# Altium PCB Stabiliser.PCBDOC (part 6 of 8)
Units mm, origin at the board's own origin, x right, y up, seen from the top; angles counter-clockwise.
Board outline 162.48 x 100 mm, 4 copper layers (Top, GP1(GND), L3, Bot), stack 1.648 mm thick; 687 components, 419 nets, 2139 pads, 1048 vias.
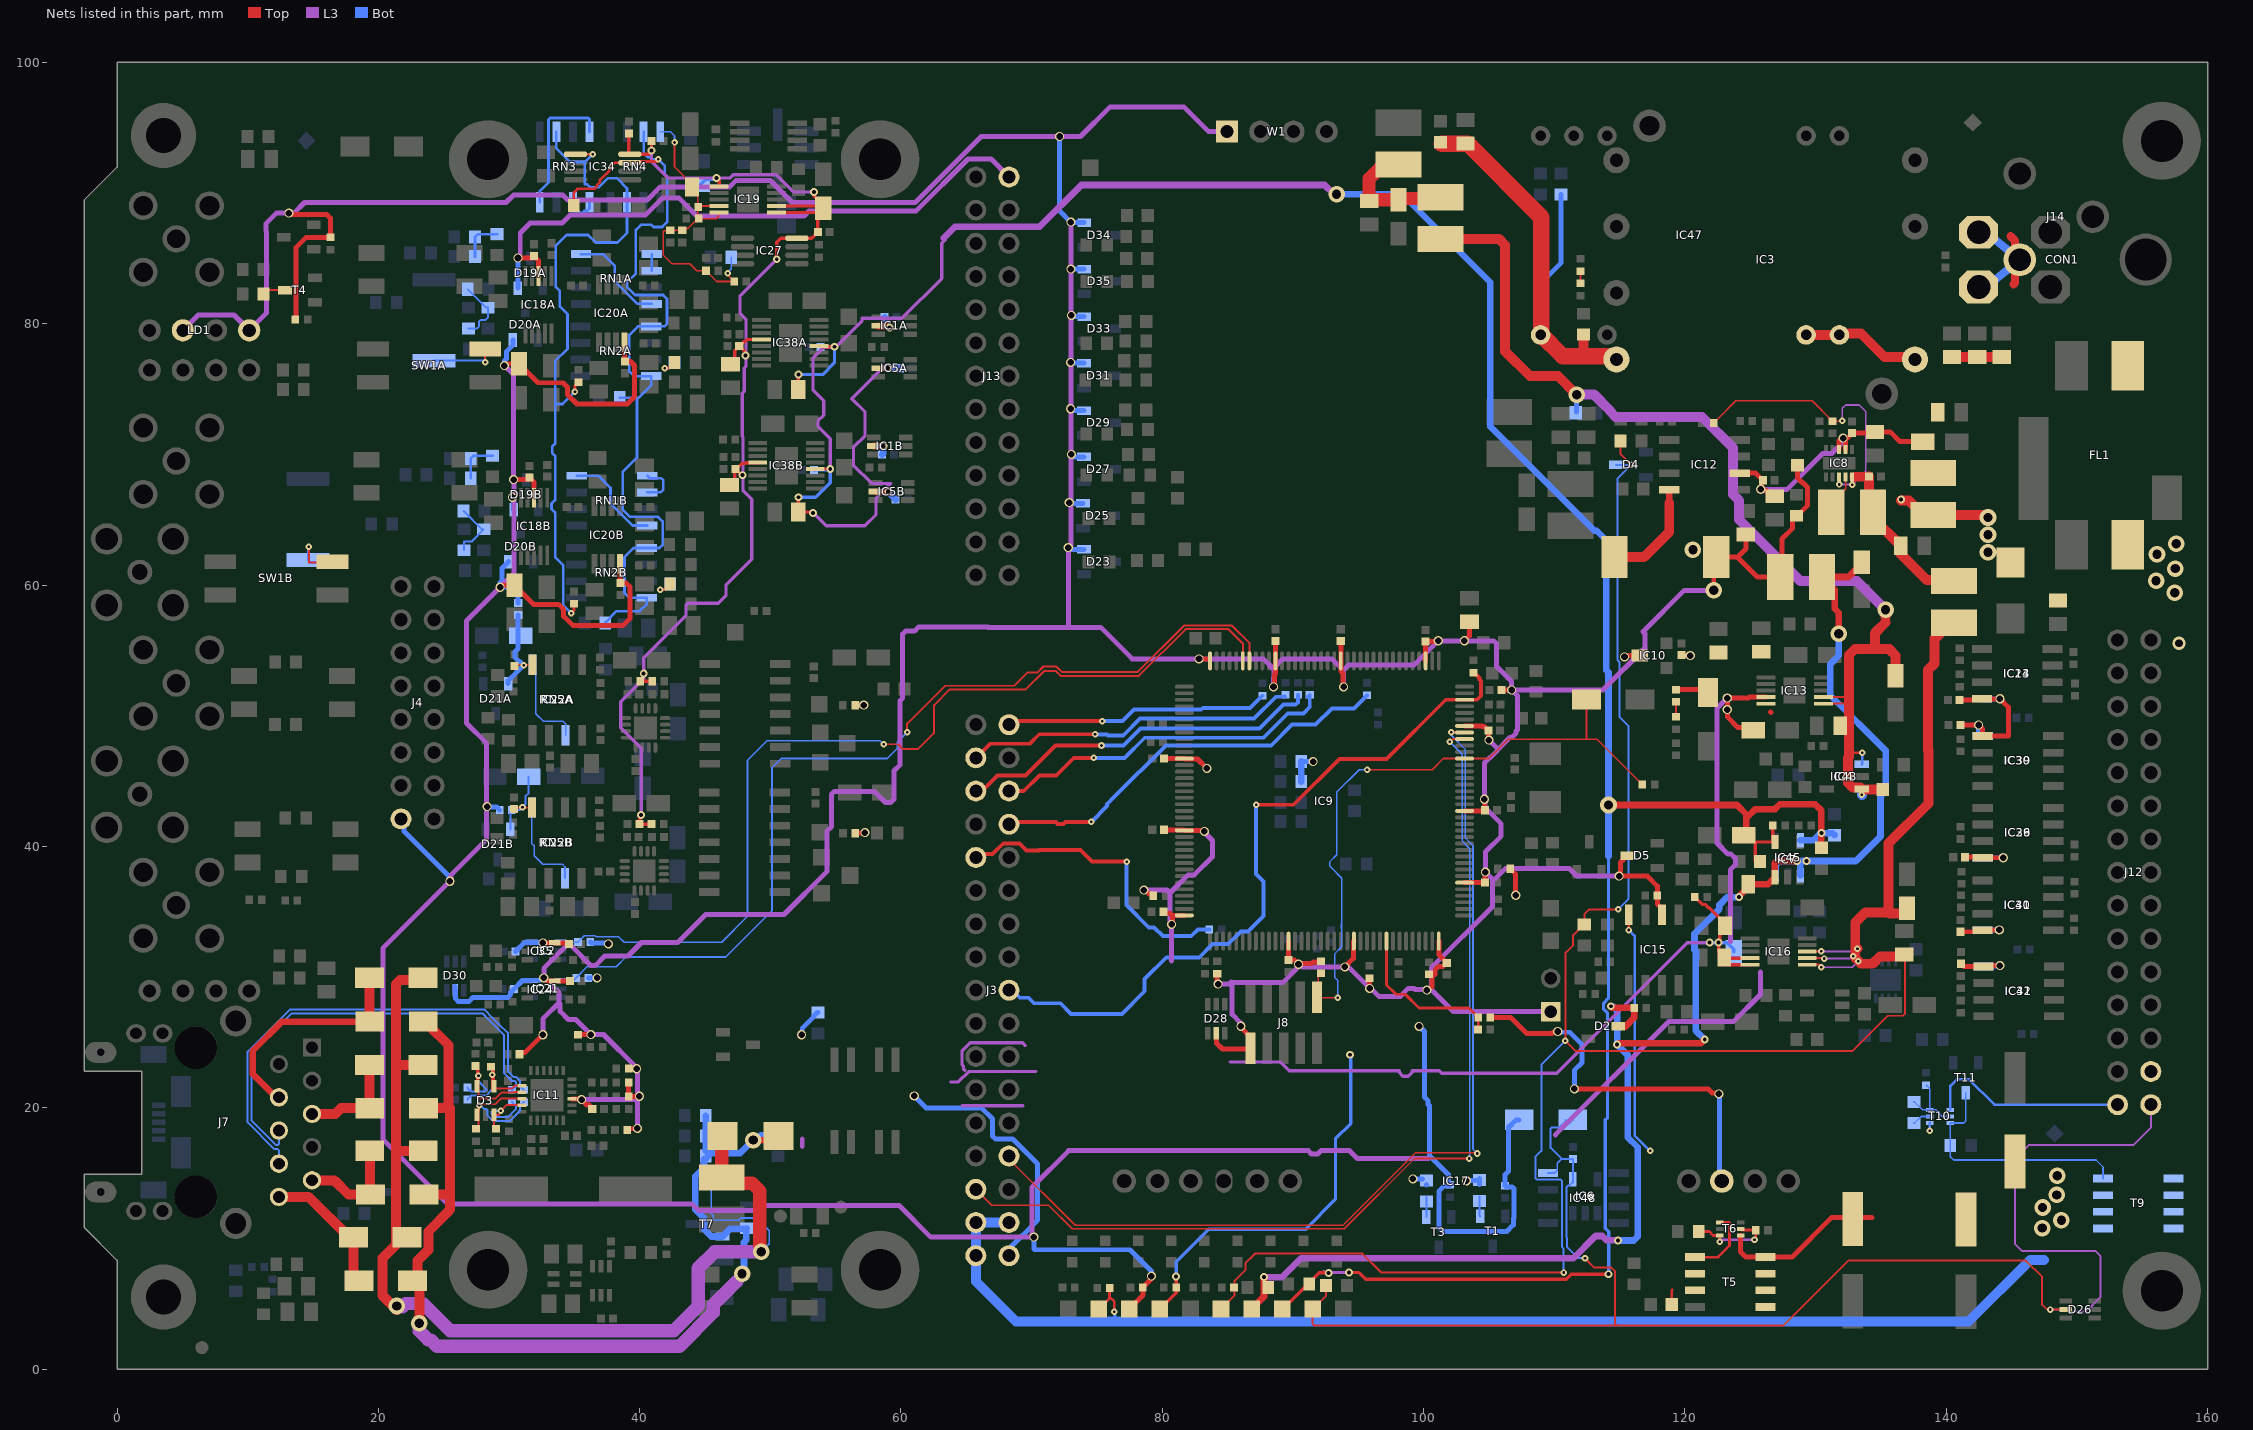
[diagram p8: the nets of this part, all layers, seen from the top]

## Via types
v1: diameter 0.5, hole 0.2, Top to Bot, tented both sides, 829 vias
v2: diameter 0.7, hole 0.5, Top to Bot, tented both sides, 83 vias
v3: diameter 0.5, hole 0.2, Top to Bot, 52 vias
v4: diameter 0.6, hole 0.3, Top to Bot, tented both sides, 41 vias
v5: diameter 1.27, hole 0.711, Top to Bot, tented both sides, 37 vias
v6: diameter 0.66, hole 0.33, Top to Bot, tented both sides, 5 vias
v7: diameter 1, hole 0.6, Top to Bot, tented both sides, 1 vias

## Nets (pads, with @x,y where several pads share a name; then routed paths per layer and width w, separated by ;. In a path a pad name is that pad's centre, name@x,y a point inside that pad or via, vN(x,y) a via of type N, cw(c..) or ccw(c..) an arc to the next point about the centre after c; other vN are vias at no path point) (continued)
NetR62_2: R62.2 R102.2 T6.3 T6.5 | length 6.9
  Top w0.203: R62.2@121.052,10.526 121.865,10.526 122.165,10.226 T6.3@122.678,10.226 122.657,10.204 v1(122.657,9.754) ; T6.5@124.258,10.726 124.339,10.645 125.396,10.645 R102.2@125.415,10.626 125.415,9.997 v1(125.324,9.906)
  L3 w0.203: v1(122.657,9.754) 122.809,9.906 v1(125.324,9.906)
NetR70_1: R70.1 T1.1 | length 1.5
  Bot w0.152: R70.1@104.281,13.198 104.281,11.739 T1.1@104.329,11.691
NetR71_1: R71.1 T3.1 | length 1.5
  Bot w0.152: T3.1@100.205,11.633 R71.1@100.205,13.154
NetR80A_2: R80A.2 R81A.1 R82A.2 | length 3.3
  Bot w0.203: R82A.2@27.401,85.144 R80A.2@27.401,86.644 27.621,86.864 R81A.1@29.081,86.864
NetR80B_2: R80B.2 R81B.1 R82B.2 | length 3.3
  Bot w0.203: R82B.2@27.067,68.179 R80B.2@27.067,69.679 27.287,69.899 R81B.1@28.747,69.899
NetR83A_1: R83A.1 SW1A.4 | length 5
  Top w0.152: v1(28.181,77.043) SW1A.4@28.181,78.074
  Bot w0.152: R83A.1@24.247,77.174 28.05,77.174 v1(28.181,77.043)
NetR83B_1: R83B.1 SW1B.4 | length 4.1
  Top w0.152: v1(14.681,62.937) 14.681,61.747 16.458,61.747 SW1B.4@16.5,61.789
  Bot w0.152: R83B.1@14.62,61.929 14.62,62.876 v1(14.681,62.937)
NetR87A_2: R87A.2 R88A.1 R89A.2 | length 5
  Bot w0.152: R88A.1@26.851,82.644 28.261,81.234 R89A.2@28.401,81.234 28.401,80.493 28.196,80.287 27.817,80.287 27.698,80.168 27.698,79.789 27.543,79.634 R87A.2@26.901,79.634
NetR87B_2: R87B.2 R88B.1 R89B.2 | length 4.7
  Bot w0.152: R88B.1@26.517,65.679 27.927,64.27 R89B.2@28.067,64.27 27.129,63.332 26.567,63.332 R87B.2@26.567,62.67
NetR92_2: R92.2 T4.3 | length 1.8
  Top w0.127: R92.2@11.22,82.294 11.51,82.584 T4.3@12.85,82.584
NetR103_1: R103.1 R204.1 | length 1.1
  Top w0.152: R204.1@119.329,49.923 R103.1@119.329,51.063
NetR142_2: R142.2 R143.2 | length 0.9
  Top w0.152: R142.2@112.014,83.096 R143.2@112.014,84.03
NetR162A_2: R162A.2 R170A.2 | length 2.2
  Top w0.203: v1(41.911,76.6) 42.226,76.6 R162A.2@42.668,77.043
  Bot w0.203: v1(41.911,76.6) 42.268,76.6 42.668,77.001 R170A.2@42.668,77.043 R170A.2@42.431,76.806
NetR162B_2: R162B.2 R170B.2 | length 2.2
  Top w0.203: v1(41.576,59.636) 41.891,59.636 R162B.2@42.334,60.078
  Bot w0.203: v1(41.576,59.636) 41.934,59.636 42.334,60.036 R170B.2@42.334,60.078 R170B.2@42.097,59.841
NetR194_1: R194.1 T10.2 | length 1.4
  Bot w0.127: R194.1@137.524,18.837 137.574,18.837 138.074,19.337 T10.2@138.73,19.337
NetR194_2: R194.2 R196.2 T10.3 T10.5 | length 5.3
  Bot w0.127: R194.2@137.524,20.437 137.574,20.437 138.174,19.837 T10.3@138.73,19.837 ; R196.2@138.46,21.725 138.48,21.725 138.73,21.476 T10.3@138.73,19.837 ; T10.5@140.31,19.337 139.697,19.337 139.197,19.837 T10.3@138.73,19.837
NetR195_2: R195.2 T9.4 T10.6 T11.3 | length 18.9
  Bot w0.127: T11.3@141.494,21.144 141.494,18.99 141.342,18.837 T10.6@140.31,18.837 R195.2@140.31,17.098 140.31,16.256 140.564,16.002 151.46,16.002 151.994,15.469 T9.4@151.994,14.58
NetRN1A_4: RN1A.4 RN1A.8 | length 7.7
  Bot w0.203: RN1A.4@35.517,85.335 37.177,85.335 38.101,84.412 38.101,83.243 39.818,81.525 RN1A.8@40.917,81.525
NetRN1A_5: RN1A.5 RN1A.6 | length 1.3
  Bot w0.203: RN1A.6@40.917,84.065 RN1A.5@40.917,85.335
NetRN1B_4: RN1B.4 RN1B.8 | length 7.7
  Bot w0.203: RN1B.4@35.183,68.37 36.843,68.37 37.766,67.447 37.766,66.246 39.452,64.56 RN1B.8@40.583,64.56
NetRN1B_5: RN1B.5 RN1B.6 | length 3.4
  Bot w0.203: RN1B.6@40.583,67.1 41.582,67.1 41.809,67.328 41.809,68.027 41.662,68.174 40.779,68.174 RN1B.5@40.583,68.37
NetRN3_1: RN3.1 RN3.2 | length 2.5
  Bot w0.203: RN3.2@34.897,89.301 34.897,88.826 35.095,88.628 35.293,88.628 35.444,88.476 35.613,88.476 35.764,88.628 35.968,88.628 36.167,88.826 RN3.1@36.167,89.301
NetRN3_4: RN3.4 RN3.8 | length 10.8
  Bot w0.203: RN3.4@32.357,89.301 32.357,90.158 33.022,90.824 33.022,95.632 33.141,95.751 36.068,95.751 36.167,95.652 RN3.8@36.167,94.701
NetRN5A_1: RN5A.1 RN5A.6 | length 7.3
  Bot w0.127: RN5A.1@31.797,53.91 32.037,53.67 32.037,50.168 32.635,49.57 34.135,49.57 34.337,49.368 RN5A.6@34.337,48.51
NetRN5B_1: RN5B.1 RN5B.6 | length 7.3
  Bot w0.127: RN5B.1@31.752,42.972 31.752,40.225 31.935,40.042 31.935,39.287 32.59,38.632 34.09,38.632 34.292,38.43 RN5B.6@34.292,37.572
NRST: D1.2 IC9.25 J8.10 R13.2 R14.1 | length 50.1
  Top w0.127: v1(93.439,28.423) 91.877,28.423 J8.10@91.836,28.464 91.924,28.553 R13.2@91.924,30.058 ; v1(95.669,45.874) 100.659,45.874 101.512,46.727 IC9.25@103.134,46.727 104.99,46.727 106.463,48.2 112.454,48.2 ; D1.2@112.46,51.238 112.46,48.206 112.454,48.2 ; R14.1@116.739,44.727 116.739,44.747 116.513,44.973 116.493,44.973 113.266,48.2 112.454,48.2 ; R13.2@91.924,30.058 R13.2@92.151,30.284 ; R13.2@91.924,30.058 R13.2@92.151,30.284 ; R13.2@92.151,30.284 R13.2@92.159,30.284 R13.2@92.151,30.284
  Bot w0.127: v1(93.439,28.423) 93.439,29.747 93.185,30.001 93.185,31.775 93.734,32.324 93.734,33.679 93.719,33.695 93.719,34.059 93.734,34.075 93.734,37.57 92.828,38.476 92.828,38.841 93.35,39.363 93.35,44.163 95.061,45.874 v1(95.669,45.874)
OEn_DO0: IC2.1 IC9.67 R214.1 | length 73.4
  Top w0.127: v1(58.667,47.821) 59.776,47.821 59.849,47.748
  Top w0.152: 59.849,47.748 60.152,47.444 61.288,47.444 62.539,48.696 62.539,50.81 63.743,52.014 69.545,52.014 70.96,53.429 71.841,53.429 72.216,53.054 78.207,53.054 81.779,56.625 85.068,56.625 86.159,55.534 IC9.67@86.159,54.202
  Bot w0.127: IC2.1@33.942,32.673 R214.1@35.28,32.673 35.28,32.693 35.76,33.174 36.589,33.174 36.686,33.076 38.406,33.076 38.809,32.673 46.271,32.673 48.25,34.652 48.25,46.603 49.745,48.098 58.39,48.098 v1(58.667,47.821)
OEn_DO1: IC9.66 IC21.1 R203.1 | length 73.3
  Top w0.152: v1(60.477,48.749) 60.477,49.394 63.382,52.299 68.667,52.299 69.676,53.308 70.443,53.308 70.909,53.774 71.891,53.774 72.332,53.333 78.092,53.333 81.67,56.912 85.324,56.912 86.659,55.577 IC9.66@86.659,54.202
  Bot w0.127: IC21.1@33.942,29.75 34.947,29.75 R203.1@35.137,29.94 35.137,29.96 35.968,30.791 38.209,30.791 38.957,31.54 46.59,31.54 50.13,35.08 50.13,46.022 50.842,46.734 58.944,46.734 59.738,47.527 59.738,48.01 v1(60.477,48.749)
P2V5A: C7A.2 C7B.2 C9A.2 C9B.2 C47.2 C55.2 C56.1 C137A.2 C137B.2 C159A.2 C159B.2 C171.2 IC1A.5 IC1B.5 IC5A.5 IC5B.5 IC7.5 IC38A.12 IC38B.12 IC45.5 R53.2 R152.2 TP10.1 | length 252.1
  Top w0.254: C9A.2@52.146,74.986 v4(52.146,76.118) ; v4(52.15,66.724) C9B.2@52.15,65.593 53.215,65.593 v4(53.275,65.533) ; IC38B.12@53.325,68.872 53.379,68.818 53.447,68.885 v4(54.585,68.885) ; IC38A.12@53.956,78.236 54.127,78.236 54.132,78.241 v4(54.906,78.241) ; TP10.1@89.169,4.597 89.23,4.597 91.999,7.366 v4(92.735,7.366) ; v4(94.285,7.391) 95.055,7.391 95.56,6.887 110.927,6.887 111.305,7.264 v4(114.16,7.264) ; C55.2@125.392,38.846 125.392,40.295 125.442,40.345 IC7.5@126.892,40.345 ; R53.2@126.722,41.596 126.722,40.515 IC7.5@126.892,40.345 ; IC7.5@126.892,39.98 IC7.5@126.892,40.345
  Top w0.508: IC1B.5@57.906,70.647 v4(58.667,70.647) ; IC5B.5@58.059,67.158 v4(59.022,67.158) ; IC1A.5@58.251,79.854 58.28,79.825 58.919,79.825 59.022,79.723 59.114,79.723 v4(59.131,79.705) ; v5(114.148,43.175) 123.985,43.175 124.692,42.468 124.692,42.16 ; C56.1@124.692,40.919 124.692,42.16 ; C47.2@130.442,39.896 v4(130.442,41.032) 130.442,42.744 129.959,43.227 127.26,43.227 126.892,42.859 125.391,42.859 124.846,42.314 124.692,42.16
  L3 w0.254: v4(53.275,65.533) 54.266,64.541 57.226,64.541 58.09,65.405 58.09,66.65 59.225,67.784 57.748,67.784 56.363,69.169 56.363,70.536 57.252,71.425 57.252,73.25 56.226,74.276 58.784,76.834 ; v4(54.585,68.885) 54.585,71.213 53.649,72.149 53.649,72.566 54.1,73.017 54.1,74.097 53.271,74.926 53.271,77.386 54.096,78.211 55.008,78.211 57.023,80.226 57.023,80.416 60.073,80.416 63.119,83.463 63.119,86.157 63.398,86.436 ; 92.334,7.473 92.416,7.391 ; v4(92.735,7.366) 92.441,7.366 92.416,7.391 ; v4(94.285,7.391) 92.416,7.391
  L3 w0.508: 63.271,86.563 64.135,87.427 70.612,87.427 73.812,90.627 92.423,90.627 93.134,89.916 v5(93.34,89.916)
  Bot w0.254: v4(52.146,76.118) 54.013,76.118 54.906,77.01 v4(54.906,78.241) C137A.2@53.901,78.241 ; v4(52.15,66.724) 53.462,66.724 54.585,67.847 v4(54.585,68.885) 54.522,68.822 C137B.2@53.325,68.822 ; 114.148,39.268 114.148,28.377 113.771,28 113.771,27.542 114.074,27.239 114.074,19.247 113.9,19.073 113.9,10.781 114.16,10.521 v4(114.16,7.264)
  Bot w0.508: C7B.2@58.561,69.988 58.65,70.077 58.65,70.629 v4(58.667,70.647) ; C7A.2@58.747,80.5 58.956,80.291 58.956,79.906 59.131,79.73 v4(59.131,79.705) ; v4@59.008,76.618 v4(59.004,76.614) 59.018,76.6 C159A.2@59.977,76.6 C159A.2@59.973,76.597 ; v4(59.022,67.158) 59.022,67.133 59.521,66.633 59.521,66.604 C159B.2@59.577,66.548 ; v5(93.34,89.916) 98.371,89.916 105.105,83.181 105.105,72.136 113.083,64.159 113.256,64.159 113.983,63.432 113.983,53.489 114.148,53.324 v5(114.148,43.175) 114.148,39.268 ; IC45.5@128.842,40.486 129.879,40.486 130.425,41.032 v4(130.442,41.032) 130.459,41.014 131.302,41.014 C171.2@131.445,40.871
P3V3: C4.2 C8.2 C35.1 C37.1 C38.1 C41.1 C43.1 C57.1 C67.1 C70.1 C71.1 C72.1 C73.1 C74.1 C78.2 C84.2 C94.2 C121.2 C144.2 C145.2 C146.2 C147.2 C148.2 C161.2 C163.2 D5.3 D18.2 D23.2 D25.2 D27.2 D28.5 D29.2 D30.5 D31.2 D33.2 D34.2 D35.2 IC2.5 IC9.6 IC9.17 IC9.30 IC9.39 IC9.52 IC9.62 IC9.72 IC9.84 IC9.95 IC9.108 IC9.121 IC9.131 IC9.144 IC10.3 IC11.9 IC14.8 IC15.6 IC21.5 IC23.1 IC24.5 IC29.8 IC30.1 IC31.8 IC32.1 IC35.5 IC36.1 IC39.8 IC40.1 IC41.8 J3.34 J8.1 JP2.1 L1.1 L5.2 L7.2 L15.1 LD1.2 LD1.4 R5.1 R13.1 R16.1 R23.1 R31.1 R33.1 R42.1 R43.1 R44.1 R51.1 R74.1 R93.1 R97.2 R98.1 R99.1 R139.2 R168.2 R180.2 R181.2 R203.2 R205.2 R214.2 R217A.1 R217B.1 W1.1 | length 577.6
  Top w0.381: v2(13.157,88.468) 13.259,88.367 16.053,88.367 16.332,88.087 R93.1@16.332,86.613 R93.1@16.332,86.613 14.478,86.614 13.692,85.828 13.692,80.334 R5.1@13.65,80.334 ; L7.2@30.801,24.095 30.801,24.105 30.911,24.215 31.215,24.215 v2(32.59,25.59) ; v2(32.59,32.623) IC35.5@33.494,32.623 33.504,32.614 34.522,32.614 C4.2@34.6,32.536 ; v2@32.912,29.704 33.485,29.704 IC24.5@33.494,29.695 C8.2@34.662,29.695 ; IC11.9@34.805,20.653 v2@35.301,20.653 ; R99.1@35.286,25.6 36.262,25.6 v2(36.265,25.603) ; v2@35.754,20.413 35.94,20.228 36.155,20.228 36.429,19.954 C84.2@36.37,19.895 ; R43.1@39.059,18.394 v2@39.827,18.394 ; R44.1@39.151,21.945 39.151,20.865 R42.1@39.161,20.855 39.956,20.855 v2(39.98,20.879) ; R98.1@39.151,23.001 39.158,22.994 39.762,22.994 v2(39.769,22.987) ; R217A.1@56.499,50.813 R217A.1@56.496,50.81 57.144,50.81 v2(57.147,50.813) ; R217B.1@56.501,41.011 56.525,41.035 57.21,41.035 v2(57.234,41.058) ; v2(78.588,36.664) 78.674,36.664 78.991,36.346 79.214,36.346 79.313,36.247 R16.1@79.313,36.227 ; C57.1@80.083,35.002 80.203,34.882 80.617,34.882 80.772,34.727 ; C74.1@80.133,41.274 80.157,41.251 81.661,41.251 IC9.95@81.684,41.227 83.149,41.227 v2(83.228,41.148) ; C73.1@80.133,46.727 IC9.84@81.684,46.727 ; v2(80.709,34.036) 80.77,34.097 80.77,34.725 80.772,34.727 ; IC9.108@81.684,34.727 80.772,34.727 ; IC9.84@81.684,46.694 82.693,46.694 v2(83.413,45.974) ; v2(82.809,54.356) 83.505,54.356 IC9.72@83.563,54.298 ; D28.5@84.131,25.719 84.14,25.71 84.14,24.963 84.603,24.5 86.692,24.5 J8.1@86.756,24.564 86.756,25.394 86.072,26.078 86.072,26.18 v2(86.011,26.241) ; R33.1@84.203,30.266 84.203,29.544 84.267,29.479 v2(84.267,29.464) ; v2(88.512,52.211) 88.581,52.211 88.581,53.152 88.659,53.231 IC9.62@88.659,54.202 C35.1@88.659,55.725 ; IC9.121@89.659,32.752 89.657,32.75 C70.1@89.657,31.3 90.112,31.3 ; v2@90.376,31.036 91.443,31.036 91.572,31.165 92.1,31.165 R13.1@92.159,31.224 ; C37.1@93.659,55.725 IC9.52@93.659,54.202 93.659,53.407 93.836,53.23 v2@93.836,52.444 ; v2(93.98,30.787) 94.627,31.434 94.627,32.719 IC9.131@94.659,32.752 ; v2(95.869,29.14) R31.1@95.869,29.92 ; IC9.39@100.159,54.202 100.159,55.645 C71.1@100.129,55.675 101.054,55.675 v2(101.119,55.74) ; R97.2@100.405,30.21 100.889,30.21 100.889,30.585 101.126,30.822 101.501,30.822 C72.1@101.774,31.094 101.159,31.709 IC9.144@101.159,32.752 ; 100.559,29.223 100.659,29.223 R97.2@100.659,30.174 ; v2(103.124,55.74) 103.5,56.116 C78.2@103.5,57.198 ; IC9.6@103.134,37.227 C43.1@104.709,37.227 104.709,38.021 v2(104.728,38.04) ; IC9.17@103.134,42.727 104.662,42.727 C38.1@104.709,42.774 104.679,42.804 104.679,43.581 v2(104.648,43.612) ; IC9.30@103.134,49.227 103.145,49.217 104.395,49.217 104.406,49.227 104.463,49.227 104.463,49.172 104.658,49.172 C41.1@104.959,48.871 104.959,48.175 v2(104.999,48.135) ; L15.1@105.969,51.973 v2(106.735,51.973) ; R139.2@106.626,38.296 106.626,38.276 106.726,38.176 106.746,38.176 107.047,37.875 v2(107.047,36.268) ; v2(114.96,37.734) 117.121,37.734 117.889,36.966 R51.1@117.889,36.239 117.889,35.587 118.112,35.363 118.135,35.363 118.244,35.254 IC15.6@118.244,34.779 ; 115.072,38.072 115.072,38.784 115.255,38.966 115.255,39.166 115.389,39.301 D5.3@115.589,39.301 ; v2(115.375,54.508) 115.477,54.611 IC10.3@116.556,54.611 ; C67.1@119.736,54.646 119.758,54.623 120.387,54.623 v2(120.41,54.601) ; v5(122.204,59.605) 122.204,61.949 L5.2@122.4,62.145 124.02,62.145 ; C121.2@124.667,63.457 124.667,62.792 124.02,62.145 ; C94.2@128.6,69.19 128.6,68.217 128.96,67.857 129.007,67.857 129.391,67.474 129.391,66.108 128.599,65.316 R205.2@128.549,65.316 128.499,65.316 128.24,65.057 128.24,64.349 127.419,63.528 127.419,60.751 L1.1@127.292,60.624 125.541,60.624 124.02,62.145 ; C144.2@141.026,51.206 142.637,51.206 IC14.8@142.732,51.301 v2(144.111,51.301) 144.749,50.664 144.749,48.446 IC30.1@142.783,48.446 142.783,48.99 v2(142.477,49.296) C145.2@141.076,49.296 ; C147.2@141.086,33.471 142.674,33.471 IC31.8@142.783,33.58 142.818,33.615 v2(144.057,33.615) ; C146.2@141.127,31.022 141.338,30.811 IC32.1@142.843,30.811 142.912,30.879 v2(144.108,30.879) ; C148.2@141.435,39.176 142.752,39.176 IC29.8@142.793,39.136 v2(144.362,39.136)
  L3 w0.381: LD1.2@5.04,79.5 6.208,80.668 8.952,80.668 LD1.4@10.12,79.5 11.455,80.835 11.455,87.075 11.39,87.141 11.39,87.666 12.192,88.468 v2(13.157,88.468) 13.538,88.468 14.353,89.283 29.774,89.283 30.34,89.848 34.131,89.848 34.521,89.459 40.56,89.459 41.589,90.487 46.887,90.487 47.357,90.957 50.013,90.957 51.687,89.283 61.081,89.283 66.134,94.336 v2(72.137,94.336) 73.736,94.336 75.984,96.584 81.672,96.584 83.545,94.711 W1.1@84.96,94.711 ; v2(32.59,25.59) 32.59,26.809 33.823,28.042 ; v2(35.56,20.625) 39.726,20.625 ; v2(39.769,22.987) 39.769,23.068 37.234,25.603 v2(36.265,25.603) 35.125,26.744 34.557,26.744 33.915,27.386 33.915,27.95 33.823,28.042 ; v2(39.827,18.415) 39.827,20.523 39.726,20.625 ; v2@39.85,22.987 39.85,21.008 v2(39.98,20.879) 39.726,20.625 ; 52.444,17.036 52.444,17.601 ; v2(73,87.785) v2(73,84.191) 73,63.068 v2(72.804,62.873) 72.804,56.777 72.796,56.769 ; v2(78.588,36.664) 80.362,36.664 80.592,36.434 ; 80.687,31.239 80.687,34.014 v2(80.709,34.036) 80.592,34.153 80.592,36.434 ; v2(83.228,41.148) 83.228,41.072 83.842,40.459 83.842,39.211 82.453,37.822 81.981,37.822 80.592,36.434 ; v2(84.267,29.464) 85.103,29.464 85.279,29.64 85.344,29.575 ; v2(86.011,26.241) 86.011,26.481 85.344,27.148 85.344,29.575 ; v2(88.512,52.211) 88.512,52.911 88.553,52.953 88.553,53.538 ; v2(93.878,52.211) 93.878,53.447 ; v2@100.171,29.061 99.34,29.061 99.261,29.14 98.831,29.14 98.191,28.5 96.596,28.5 95.956,29.14 v2(95.869,29.14) 95.869,29.156 94.239,30.787 v2(93.98,30.787) 90.711,30.787 90.51,30.988 v2(90.424,30.988) 90.424,30.787 89.212,29.575 85.344,29.575 ; v2(100.25,29) 100.308,29.058 v2@100.584,29.058 ; v2(104.999,48.135) 105.664,47.47 105.664,47.401 ; JP2.1@109.728,27.359 102.282,27.359 v2@100.584,29.058 ; v2(114.96,37.734) 111.731,37.734 111.163,38.302 106.247,38.302 105.434,37.489 105.279,37.489 ; v5(122.204,59.605) 119.953,59.605 116.788,56.44 116.94,56.288 116.94,55.192 113.721,51.973 v2(106.735,51.973) ; 33.823,28.042 33.823,28.782 v2(32.664,29.94) 32.664,30.677 34.416,32.428 34.731,32.428 36.278,30.881 36.594,30.881 37.332,31.619 39.111,31.619 40.143,32.651 42.915,32.651 45.053,34.789 51.045,34.789 54.331,38.075 54.331,41.173 54.677,41.52 54.677,43.986 54.9,44.209 57.964,44.209 58.81,43.362 59.213,43.362 59.458,43.607 59.458,45.771 59.91,46.223 59.91,51.129 60.126,51.345 60.126,56.25 60.368,56.492 61.046,56.492 61.331,56.778 66.648,56.778 66.657,56.769 72.796,56.769 ; 72.796,56.769 75.286,56.769 77.699,54.356 v2(82.809,54.356) 87.735,54.356 88.553,53.538 ; 88.553,53.538 88.553,53.697 89.212,54.356 92.97,54.356 93.878,53.447 ; 93.878,53.447 93.878,53.511 94.239,53.872 99.25,53.872 v2(101.119,55.74) v2(103.124,55.74) 105.365,55.74 105.589,55.517 105.589,53.771 106.735,52.624 v2(106.735,51.973) ; v2@100.584,29.058 100.584,30.708 105.279,35.403 105.279,37.489 ; 105.279,37.489 v2(104.728,38.04) 104.728,39.581 105.934,40.787 105.934,41.733 104.709,42.958 104.709,43.551 v2(104.648,43.612) 104.648,46.385 105.017,46.754 105.051,46.754 105.664,47.367 105.664,47.401 ; 105.664,47.401 106.604,48.341 106.749,48.341 107.082,48.673 107.082,48.819 107.171,48.908 107.171,51.537 v2(106.735,51.973)
  Bot w0.381: D30.5@25.882,29.271 D30.5@25.882,28.996 25.891,28.986 25.891,28.373 26.114,28.15 26.95,28.15 27.25,28.45 29.909,28.45 30.118,28.658 30.118,28.828 C163.2@30.39,29.1 31.031,29.741 31.733,29.741 IC21.5@31.742,29.75 31.752,29.76 32.398,29.76 32.578,29.94 v2(32.664,29.94) ; C161.2@30.492,31.957 31.199,32.664 31.733,32.664 IC2.5@31.742,32.673 31.752,32.664 32.55,32.664 v2(32.59,32.623) ; R203.2@36.077,29.94 v2(36.741,29.94) ; R214.2@36.22,32.673 36.296,32.597 37.544,32.597 v2(37.605,32.536) ; v2(52.397,25.59) 52.444,25.636 52.444,26.084 53.337,26.978 53.337,27.028 53.596,27.287 R168.2@53.646,27.287 ; v2(61.011,20.904) 61.918,19.997 66.154,19.997 67,19.15 67,17.841 67.223,17.618 68.533,17.618 70.46,15.691 70.46,11.398 68.27,9.208 J3.34@68.27,8.68 ; v2(72.137,94.336) 72.137,88.648 v2(73,87.785) 73.044,87.741 D34.2@74.025,87.741 ; v2(72.804,62.873) 72.95,62.727 D23.2@74,62.727 ; v2(72.881,66.318) 72.943,66.256 D25.2@73.925,66.256 ; v2(72.987,73.5) 73.125,73.362 D29.2@74,73.362 ; v2(72.987,77.043) 73.045,76.984 D31.2@74,76.984 ; v2(73,84.191) D35.2@74.025,84.191 ; v2(73.044,70) 73.232,69.812 D27.2@74,69.812 ; v2(73.044,80.644) 73.133,80.555 D33.2@74.025,80.555 ; R180.2@90.643,46.498 90.648,46.493 91.539,46.493 v2(91.543,46.489) ; v2(99.659,26.224) 99.676,26.224 100.063,25.837 100.063,20.807 100.342,20.529 100.342,20.265 100.444,20.163 100.444,16.335 101.886,14.893 101.886,14.193 101.985,14.094 R23.1@102.005,14.094 101.938,14.027 101.578,14.027 101.16,13.608 101.16,10.826 101.456,10.53 106.367,10.53 106.871,11.034 106.871,11.517 106.905,11.551 106.905,13.804 106.764,13.944 106.33,13.944 R74.1@106.23,14.044 106.23,14.877 106.5,15.147 106.5,18.49 107.085,19.075 D18.2@107.316,19.075 ; v2(142.477,49.296) 142.469,49.287 142.469,48.555 142.578,48.446 IC39.8@142.791,48.446 ; IC23.1@142.732,51.301 v2(144.111,51.301) ; IC40.1@142.783,33.58 142.8,33.598 144.039,33.598 v2(144.057,33.615) ; IC36.1@142.792,39.136 v2(144.362,39.136) ; IC41.8@142.843,30.811 142.878,30.845 144.073,30.845 v2(144.108,30.879)
  Bot w0.508: R181.2@90.643,44.974 R180.2@90.643,46.498
  other v5: 120.611,62.713
P3V3_MP: C17.2 D18.1 D26.5 IC6.4 IC48.8 J12.30 R160.1 TP15.1 | length 123.3
  Top w0.152: R160.1@92.534,6.384 92.534,5.625 TP15.1@91.507,4.597 91.507,3.438 91.618,3.327 114.801,3.327 ; v1(112.352,8.484) 113.068,7.768 114.369,7.768 114.663,7.473 114.663,3.465 114.801,3.327 ; D26.5@149.159,4.558 v1(147.953,4.558) 147.893,4.618 147.642,4.618 147.336,4.924 147.336,7.06 146.09,8.306 132.512,8.306 127.533,3.327 114.801,3.327
  L3 w0.152: v1(147.953,4.558) 149.292,4.558 149.45,4.4 150.695,4.4 151.821,5.526 151.821,8.65 151.439,9.032 145.811,9.032 145.25,9.593 145.25,16.048 146.355,17.153 154.334,17.153 155.654,18.474 J12.30@155.654,20.238
  Bot w0.152: IC48.8@109.529,14.996 110.004,14.996 110.227,15.22 110.227,15.741 110.574,16.087 ; D18.1@111.416,19.075 111.136,18.794 110.973,18.957 110.91,19.02 110.869,19.061 110.869,18.979 110.393,18.502 109.817,18.502 109.728,18.413 109.728,16.934 110.574,16.087 ; v1(112.352,8.484) 111.836,8.484 110.985,9.334 110.985,10.018 110.916,10.087 110.916,13.901 111.075,14.06 111.196,14.06 111.42,14.283 C17.2@111.42,16.087 110.574,16.087
P3V3A: C50.1 C53.2 D2.3 IC7.1 IC45.1 IC45.3 L1.2 R100.2 R159.1 TP11.1 | length 119
  Top w0.508: TP11.1@86.831,4.597 87.785,5.551 v4(87.785,7.036) ; v4(114.325,27.771) 114.449,27.648 R100.2@116.11,27.648 116.11,26.888 115.41,26.188 D2.3@114.77,26.188 ; v4(114.808,24.841) 114.833,24.841 114.923,24.931 121.198,24.931 121.489,25.222 v4(121.514,25.222) ; v4(124.125,36.124) 124.125,36.185 124.842,36.902 C53.2@124.842,37.096 126.343,37.096 IC7.1@126.892,37.645 ; IC7.1@126.867,37.645 126.867,38.708 127.046,38.887 v4(128.575,38.887) ; v5(131.775,56.288) 131.775,57.886 131.47,58.191 131.47,59.645 L1.2@130.492,60.624 132.509,60.624 133.542,61.657 C50.1@133.542,61.752